# KiCad board JumperlessArduino.kicad_pcb (continued)
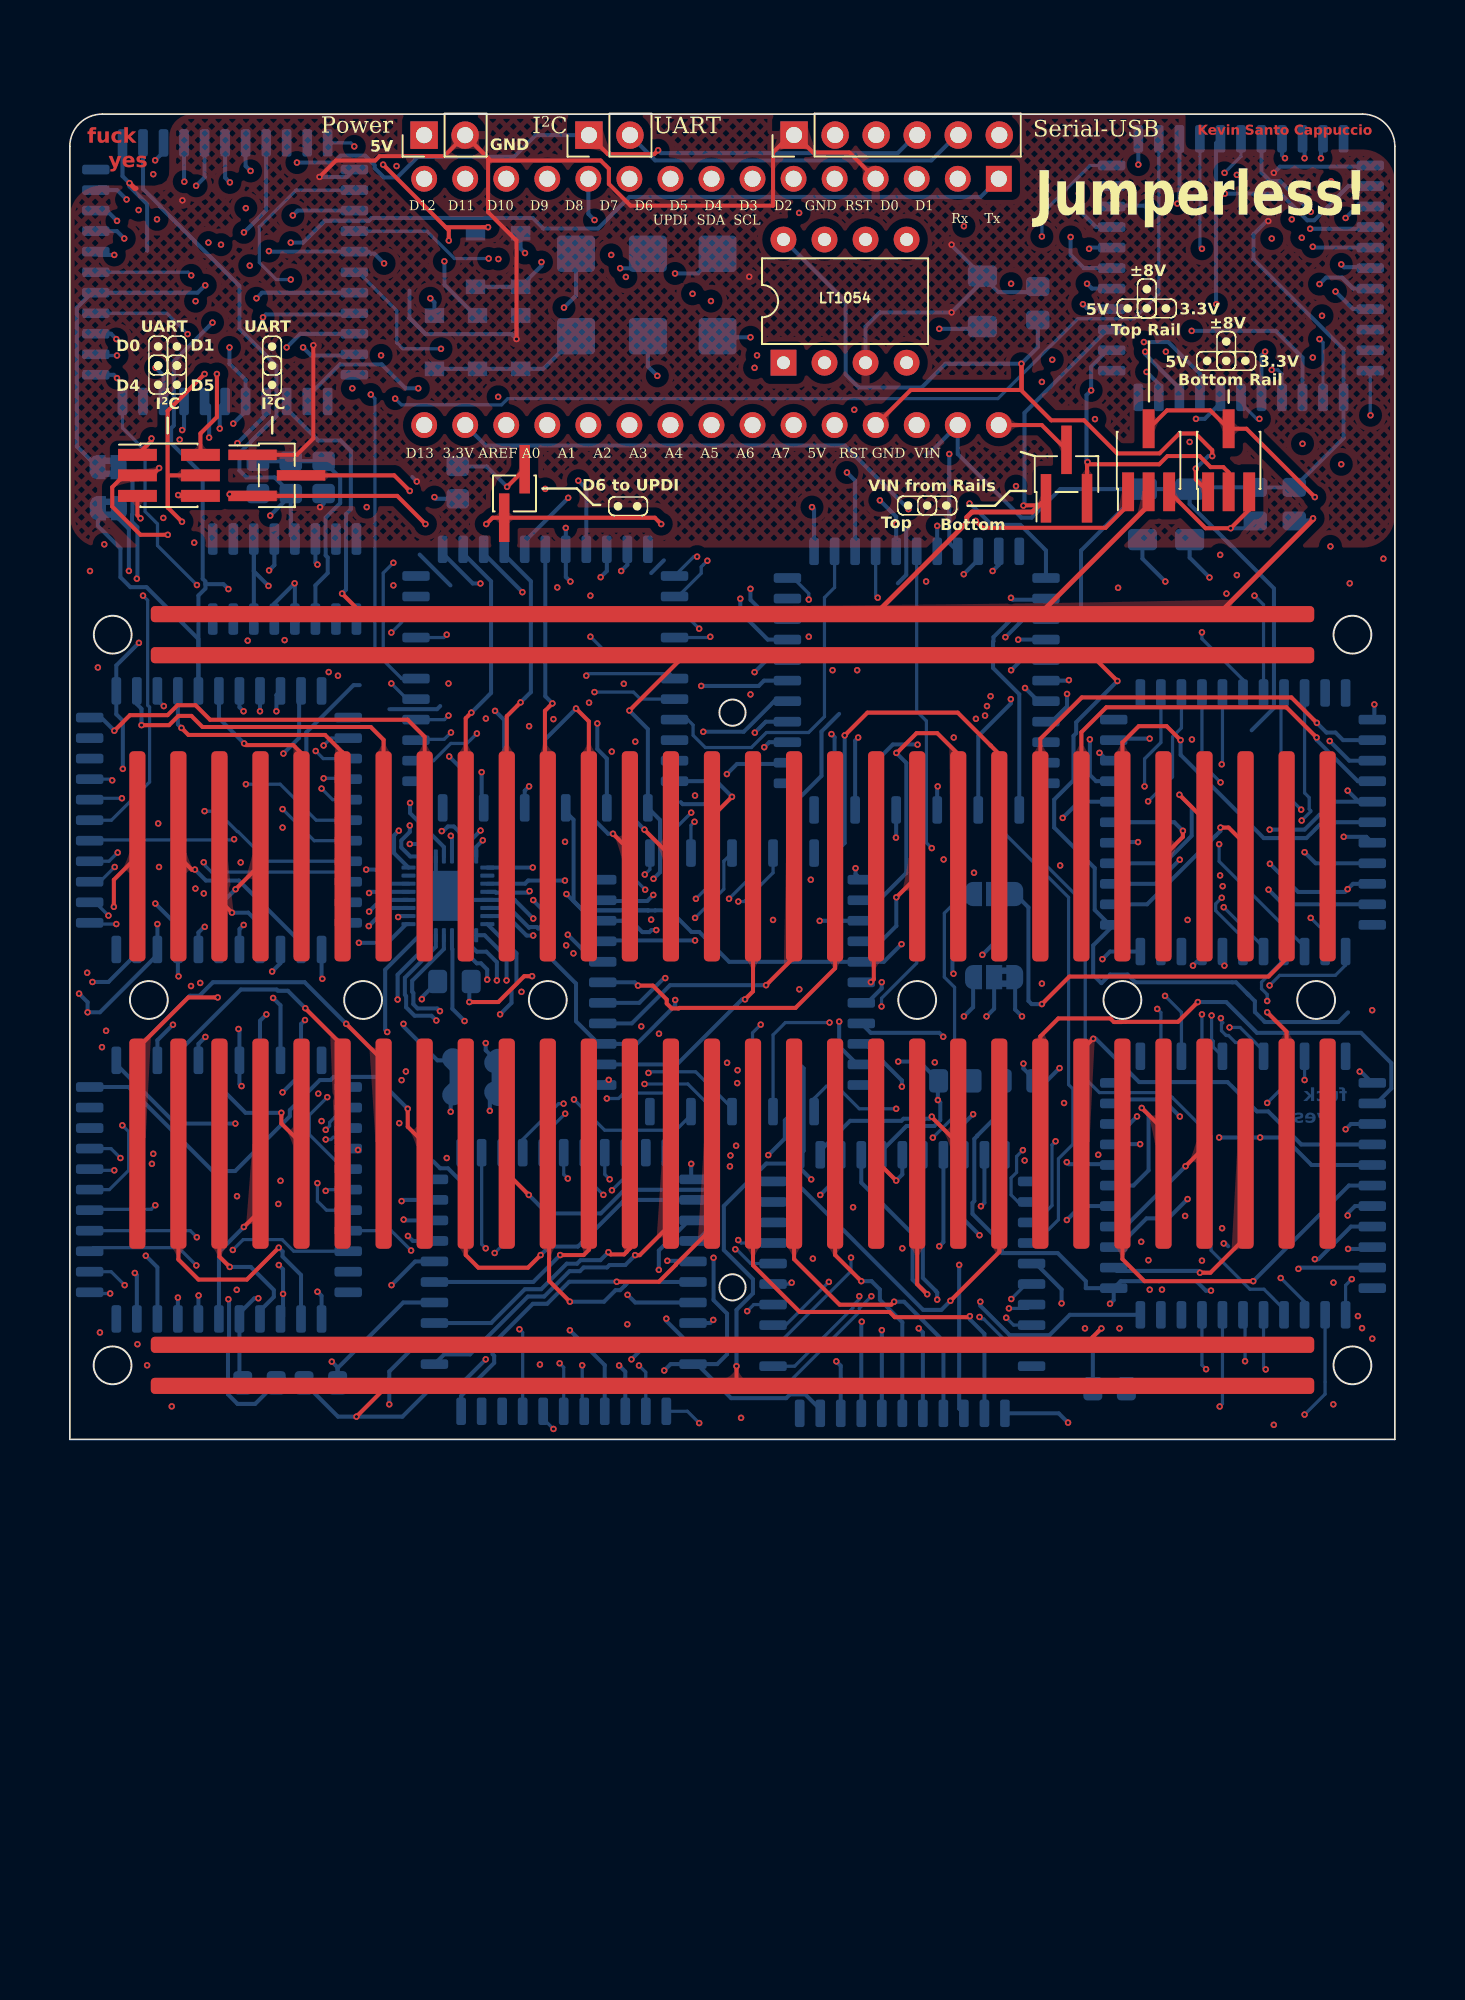
[diagram p0: board, top side]
## Routing (per net, layer and track width the routed paths; a pad name or vN(x,y) marks a point on that pad's centre or on a via; arc(x,y) is an arc through that point) (continued)
  In1.Cu w0.25: v1(51.27,23.38) 51.27,25.84 50.76,26.35 50.76,28.13 51.47,28.84 v1(51.47,30.64) 51.93,31.1 51.93,43.2 52.24,43.51 52.48,43.51 53,44.03 ; v1(67.83,67.3) 67.83,62.53 67.12,61.82 67.12,53.75 v1(67.8,53.08) 67.8,42.93 65.86,40.99 65.86,37.2 v1(66.11,36.96) ; 53,44.03 53,41.11 v1(53.71,40.4) ; 53,44.03 53,53.07 v1(52.99,53.08) ; v1(8.58,74.05) 8.58,73.43 8.91,73.1 8.91,69.17 v1(8.83,69.1) ; v1(16.21,4.81) 7.5,4.81 7.43,4.89 7.43,9.1 8.62,10.3 8.62,12.55 8.62,12.55 8.62,12.93 8.57,12.98 8.57,24.73 v1(8.39,24.9) ; v1(9.81,52.61) 9.81,52.61 9.81,40.24 10.69,39.36 10.69,35.81 v1(10.58,35.7) ; v1(61.53,20.81) 61.53,18.07 61.17,17.71 61.17,14.1 v1(61.7,13.57)
  In2.Cu w0.25: v1(8.58,74.05) 8.58,73.96 9.14,73.4 9.72,73.4 9.92,73.6 12.25,73.6 v1(12.32,73.53) ; v1(53.72,21) 53.9,20.81 v1(61.53,20.81) ; v1(67.8,53.08) 67.66,53.22 64.61,53.22 64.44,53.05 55.58,53.05 55.54,53.01 53.07,53.01 v1(52.99,53.08) ; v1(30.73,33.74) 29.62,34.86 19.25,34.86 19.12,34.73 11.89,34.73 11.64,34.97 9.15,34.97 ; 9.15,34.97 8.91,34.73 3.74,34.73 0.55,31.54 0.55,28.41 1.18,27.78 1.2,27.78 4.48,24.49 7.98,24.49 v1(8.39,24.9) ; 9.15,34.97 9.87,35.7 v1(10.58,35.7) ; v1(67.83,67.3) v1(73.97,67.3) ; v1(23.18,72.89) 23.13,72.84 19.52,72.84 v1(19.45,72.76)
  Bottom w0.25: 8.39,52.92 8.39,53.08 8.22,53.25 8.22,59.69 6.27,61.64 6.27,62.56 6.43,62.73 6.43,66.7 v1(8.83,69.1) ; 8.39,52.92 9.51,52.92 v1(9.81,52.61) ; 8.39,52.92 8.39,52.65 7.96,52.21 A.22 7.96,49.52 4.75,52.73 3.75,52.73 3.13,53.35 3.13,55.12 1.74,56.52 JP3.2 ; v1(61.7,13.57) 62.56,14.44 H.22 ; v1(16.21,4.81) 16.57,4.45 16.57,3.51 C18.2 16.58,4.41 20.63,8.47 F.22 ; v1(19.45,72.76) 18.84,73.37 18.61,73.37 18.5,73.49 J.22 12.36,73.49 v1(12.32,73.53) ; v1(53.71,40.4) 53.68,40.37 K.22 ; v1(8.39,24.9) 7.96,24.47 E.22 ; v1(73.97,67.3) 73.75,67.08 I.22 ; C16.2 66.38,54.49 67.79,53.08 v1(67.8,53.08) ; v1(51.27,23.38) 52.57,23.38 C17.2 53.72,22.14 v1(53.72,21) 53.87,20.85 53.87,19.75 53.5,19.39 51.78,19.39 50.25,17.86 G.22 ; v1(30.73,33.74) 31.74,32.73 35.78,32.73 ; 30.69,39.07 30.69,38.82 31.17,38.34 31.17,33.31 31.75,32.73 35.78,32.73 ; v1(66.11,36.96) 64.64,36.96 D.22 ; v1(51.47,30.64) 50.38,29.55 C.22 40.8,29.55 38.96,31.4 38.48,31.4 37.14,32.73 36.23,32.73 36.22,32.73 35.79,32.73 35.78,32.73 ; v1(23.18,72.89) 23.18,71.44 25.08,69.54 25.23,69.54
GND: length 661.8
  Top w0.08: 4.1,77.4 4.17,77.4
  Top w0.25: v1(34.63,45.09) 38.06,48.52 J5.0 63.23,48.52 v1(64.83,46.92) ; A1.4 48.25,79.62 45.99,79.62 44.82,80.8 44.68,80.8 43.52,79.64 43.52,76.34 34.7,76.34 33.36,77.68 33.36,78.62 32.85,79.13 26.03,79.13 J2.2 ; v1(27.64,68.08) 27.64,74.18 25.88,75.94 25.88,79.28 J2.2 ; v1(15.07,67.7) 15.07,61.93 14.05,60.92 JP4.1 ; v1(28.61,28.66) 28.12,28.66 26.52,27.06 v1(24.72,27.06) ; v1(41.26,4.53) 41.26,3.56 J5.32 19.64,3.31 v1(17.74,1.41) ; J2.2 23.17,79.4 19.17,79.4 18.9,79.13 16.47,79.13 v1(15.45,78.11)
  Top w0.3: v1(3.69,77.73) 4.02,77.4 4.1,77.4
  In1.Cu w0.25: v1(35.98,32.16) 36.63,32.81 36.63,34.17 v1(36.12,34.69) ; v1(15.07,67.7) 15.07,58.1 v1(15.48,57.68) ; A1.29 54.95,69.35 v1(54.57,69.73) ; v1(5.52,35.42) 5.47,35.47 v1(5.47,38.11) ; A1.4 53.95,73.92 v1(54.57,73.92) ; 45.88,28.61 45.14,27.87 v1(45.14,27.85) ; 45.88,28.61 45.88,34.6 v1(45.86,34.63) ; 45.88,28.61 v1(45.88,16.09) 45.88,11.29 v1(45.98,11.19) ; v1(74.17,75.38) 74.17,78.03 v1(74.51,78.37) ; v1(10.35,15.05) 10.25,15.15 v1(10.25,19.54) 10.25,12.3 10.78,11.77 10.78,10.44 9.61,9.27 9.61,8.87 v1(9.81,8.67) ; v1(28.68,32.22) 28.68,31.91 28.47,31.7 28.46,31.7 28.15,31.39 28.15,29.73 28.61,29.27 v1(28.61,28.66) ; v1(64.96,6.87) 64.37,7.45 v1(64.37,8.39) 64.37,16.88 v1(63.64,17.61) ; v1(42.05,71.94) 42.05,73.71 43.38,75.04 43.38,79.36 44.82,80.8 ; v1(70.62,9.2) 70.62,11.34 v1(71.41,12.12)
  In2.Cu w0.25: v1(25.74,4.95) 28.77,4.95 v1(29.09,4.63) ; v1(6.97,76.67) 4.76,76.67 v1(3.69,77.73) 6.22,77.73 6.99,78.5 9.99,78.5 10.52,77.96 15.3,77.96 v1(15.45,78.11) ; v1(36.12,34.69) 36.2,34.61 36.51,34.61 36.74,34.38 45.83,34.38 ; v1(15.07,67.7) 15.45,68.08 v1(27.64,68.08) ; v1(21.47,59.27) 20.23,59.27 19.41,58.45 18.35,58.45 17.58,57.68 v1(15.48,57.68) 12.19,57.68 12.1,57.6 3.06,57.6 1.61,56.14 1.61,54.11 4.28,51.44 v1(4.28,49.28) ; v1(45.88,16.09) 45.68,16.29 45.68,17.89 55.69,17.89 56.32,18.53 59.37,18.53 60.18,17.71 63.54,17.71 v1(63.64,17.61) ; 45.83,34.38 47.66,34.38 v1(48.62,35.34) ; 45.83,34.38 45.86,34.4 v1(45.86,34.63) ; v1(35.98,32.16) 35.91,32.22 v1(28.68,32.22) ; v1(3.28,41.49) 5.47,39.3 v1(5.47,38.11)
  Bottom w0.25: R2.1 15.71,57.9 v1(15.48,57.68) ; 53.02,60.94 53.12,61.05 53.24,61.05 A1.29 54.95,60.97 58.89,57.03 59.52,57.03 61.29,58.8 C16.1 ; 44.97,23.4 45.41,22.96 45.41,17.85 G.18 ; J.7 3.26,78.16 v1(3.69,77.73) 3.69,77.53 4.78,76.44 4.78,73.54 ; K.18 58.76,46.11 57.13,47.73 57.13,49.36 57.16,49.39 57.16,49.64 58.92,51.4 62.58,51.4 62.58,55 C16.1 ; U2.19 22.65,34.38 U2.33 23.65,33.38 U2.29 27.53,33.38 v1(28.68,32.22) ; v1(34.63,45.09) 35.77,43.95 B.18 36.52,38.32 36.52,35.09 v1(36.12,34.69) ; 24.39,15.76 24.39,15.78 23.4,16.77 22.92,16.77 22.49,17.2 ; 39.58,39.3 37.93,39.3 37.8,39.43 ; v1(74.51,78.37) 74.89,78.75 80.4,78.75 I.7 ; v1(48.62,35.34) 48.62,34.98 C.18 ; H.18 65.03,9.79 69.72,9.79 70.3,9.2 v1(70.62,9.2) ; H.18 62.87,9.36 62.87,9.79 61.14,11.53 57.68,11.53 57.68,12.13 55.86,13.96 55.86,14.64 55.97,14.75 55.97,18.59 56.16,18.77 56.16,18.79 57.7,20.34 C6.2 ; H.18 64.6,8.62 v1(64.37,8.39) ; C1.2 69.41,58.91 C13.2 C8.1 78.83,61.96 I.18 78.83,67.45 73.25,73.03 73.25,74.57 74.06,75.38 v1(74.17,75.38) ; C1.2 C16.1 ; C1.2 69.3,57.87 74.52,52.65 74.52,45.26 73.14,43.87 ; v1(41.26,4.53) 41.26,8.02 42.27,9.03 42.27,9.91 40.47,11.72 40.47,14.44 43.1,17.07 44.63,17.07 G.18 ; G.18 45.17,16.8 v1(45.88,16.09) ; v1(64.83,46.92) 62.28,44.37 62.28,43.69 62.11,43.53 62.11,40.78 60.92,39.59 60.92,37.85 63.43,35.35 63.43,32.76 64.35,31.84 D.18 63.33,30.56 63.33,28.74 63.84,28.23 64.37,28.76 65.46,28.76 65.94,28.28 72.17,28.28 72.88,27.57 ; 23.55,52.84 21.65,54.75 ; 47.61,44.89 46.52,43.8 46.52,41.06 45.07,39.61 ; v1(4.28,49.28) 2.88,47.89 2.88,44.87 3.28,44.46 v1(3.28,41.49) ; 51.88,56.4 51.76,56.28 51.76,53.49 51.24,52.97 ; C4.1 57.47,70.98 59.56,70.98 C14.2 ; C4.1 54.57,73.89 v1(54.57,73.92) ; C4.1 56.47,71.64 v1(54.57,69.73) 50.12,69.73 49.24,68.85 U3.3 ; 72.88,27.57 72.98,27.47 ; 72.88,27.57 73.34,27.11 73.34,26.44 73.96,25.82 78.5,25.82 79.1,26.43 ; C15.2 24.72,28.22 v1(24.72,27.06) ; 71.69,11.95 71.51,12.12 v1(71.41,12.12) ; v1(15.45,78.11) 17.15,78.11 J.18 ; 21.01,71.08 21.01,69.39 22.02,68.39 27.34,68.39 v1(27.64,68.08) 27.64,69.29 D5.1 ; 22.92,45.37 22.73,45.18 19.78,45.18 ; 2.88,23.45 2.88,23.2 6.54,19.54 v1(10.25,19.54) ; v1(25.74,4.95) 24.18,3.39 F.18 20.58,1.41 v1(17.74,1.41) 16.59,1.41 C18.1 C7.2 11.47,2.19 10.38,2.19 9.79,2.79 9.79,5.47 9.85,5.54 9.85,8.63 v1(9.81,8.67) ; 14.64,41.79 14.64,43.75 17.56,46.67 17.94,46.67 ; 35.98,53.6 36.76,54.39 ; v1(21.47,59.27) 21.19,59.55
VIN: length 4.8
  Top w0.25: JP1.2 60.15,62.76 A1.30
1: length 63.5
  Top w0.25: J5.1 2.73,34.62 v1(2.73,32.95)
  In2.Cu w0.25: v1(54.69,28.81) 37.86,28.81 37.07,28.02 36.11,28.02 35.49,28.63 31.23,28.63 30.11,29.75 5.93,29.75 v1(2.73,32.95)
  Bottom w0.25: v1(54.69,28.81) 54.62,28.88 54.62,32.46 JP7.3
2: length 10.2
  Top w0.25: v1(7.74,35.25) 7.54,35.25 J5.2
  Bottom w0.25: A.41 14.31,30.73 10.46,34.58 8.42,34.58 v1(7.74,35.25)
3: length 7.4
  Top w0.25: J5.3 9.26,33.37 v1(10.04,32.59)
  Bottom w0.25: v1(10.04,32.59) 11.04,32.59 11.77,31.86 A.43
4: length 6.8
  Top w0.25: v1(10.26,34.04) 11.8,35.58 J5.4
  Bottom w0.25: v1(10.26,34.04) 9.23,33.01 A.1
5: length 14.1
  Top w0.25: J5.5 14.34,42.44 13.83,42.96 10.89,42.96 v1(10.79,43.06)
  Bottom w0.25: v1(10.79,43.06) 9.23,44.62 A.23
6: length 19.4
  Top w0.25: J5.6 16.88,42.5 15.8,43.59 7.34,43.59 v1(6.91,44.02)
  Bottom w0.25: v1(6.91,44.02) 6.69,44.24 A.21
7: length 25.3
  Top w0.25: J5.7 19.42,43.28 18.63,44.08 8.21,44.08 7.53,44.76 6.71,44.76 6.14,44.19 v1(4.44,44.19)
  Bottom w0.25: A.19 4.15,45.5 4.44,45.21 v1(4.44,44.19)
8: length 29.9
  Top w0.25: v1(2.76,43.85) 3.72,44.81 6.05,44.81 6.66,45.42 7.78,45.42 8.68,44.53 20.91,44.53 21.96,43.48 J5.8
  Bottom w0.25: v1(2.76,43.85) 1.94,44.66 A.17
9: length 20.4
  Top w0.25: J5.9 24.5,44.62 v1(24.85,44.97)
  Bottom w0.25: v1(24.85,44.97) 26.07,46.19 26.07,53.09 24.34,54.82 B.41
10: length 20.3
  Top w0.25: J5.10 27.04,44.74 v1(27.9,45.6)
  Bottom w0.25: B.43 26.88,54.75 28.53,53.09 28.53,46.24 v1(27.9,45.6)
11: length 19.4
  Top w0.25: v1(29.87,45.54) 29.4,45.07 29.4,36.25 J5.11
  Bottom w0.25: B.1 29.42,45.98 v1(29.87,45.54)
12: length 16.4
  Top w0.25: J5.12 32.12,44.43 v1(31.33,45.22)
  Bottom w0.25: B.23 29.42,43.32 v1(31.33,45.22)
13: length 4.3
  Top w0.25: J5.13 34.66,36.43 v1(33.61,37.47)
  Bottom w0.25: v1(33.61,37.47) 33.31,37.47 31.96,38.82 B.21
14: length 4.1
  Top w0.25: v1(35.56,37.73) 35.56,37.72 J5.14
  Bottom w0.25: v1(35.56,37.73) 34.5,38.78 B.19
15: length 8.2
  Top w0.25: v1(40.98,39.76) 39.74,38.52 J5.15
  Bottom w0.25: v1(40.98,39.76) 40.02,40.72 B.17
16: length 19.5
  Top w0.25: v1(41.78,27.22) 42.28,27.72 J5.16
  Bottom w0.25: v1(41.78,27.22) 41.6,27.22 37.58,23.2 32.98,23.2
17: length 19.8
  Top w0.25: J5.17 44.82,29.83 v1(43.09,28.1)
  Bottom w0.25: C.43 34.78,25.74 37.14,28.1 v1(43.09,28.1)
18: length 23.2
  Top w0.25: v1(35.16,28.08) 36.08,28.08 36.94,27.22 36.94,26.97 37.25,26.66 37.68,26.66 37.71,26.7 44.91,26.7 47.36,29.15 J5.18
  Bottom w0.25: v1(35.16,28.08) 34.96,28.28 C.1
19: length 8.5
  Top w0.25: v1(49.57,28.29) 49.75,28.47 49.75,35.93 J5.19
  Bottom w0.25: C.23 49.56,28.28 v1(49.57,28.29)
20: length 7.4
  Top w0.25: v1(51.15,33.54) 52.44,34.83 J5.20
  Bottom w0.25: C.21 50.2,30.82 51.15,31.77 v1(51.15,33.54)
21: length 22.4
  Top w0.25: J5.21 54.98,42.4 53.68,43.7 52.4,43.7 51.18,42.47 v1(51.15,42.47)
  Bottom w0.25: v1(51.15,42.47) 51.76,41.86 51.76,35.05 50.07,33.36 C.19
22: length 25.1
  Top w0.25: v1(47.95,43.56) 49.36,44.97 54.95,44.97 56.98,42.94 57.52,42.4 J5.22
  Bottom w0.25: C.17 47.95,36.9 v1(47.95,43.56)
23: length 30
  Top w0.25: J5.23 60.06,43.35 62.62,45.91 75.6,45.91 v1(77.17,44.33)
  Bottom w0.25: 80.6,43.26 78.8,43.26 78.33,43.73 77.77,43.73 v1(77.17,44.33)
24: length 28.3
  Top w0.25: J5.24 62.6,43.75 64.14,45.3 75.29,45.3 v1(77.16,43.43)
  Bottom w0.25: D.43 79.71,40.72 77.16,43.28 v1(77.16,43.43)
25: length 26.7
  Top w0.25: J5.25 65.14,43.12 66.15,44.13 67.88,44.13 v1(68.74,43.26)
  Bottom w0.25: D.1 77.51,38.19 76.52,37.2 73.89,37.2 68.74,42.35 v1(68.74,43.26)
26: length 6.6
  Top w0.25: v1(68.88,37.66) 68.88,37.28 J5.26
  Bottom w0.25: v1(68.88,37.66) 68.35,38.19 D.23
27: length 12.8
  Top w0.25: J5.27 70.22,38.33 v1(68.67,39.89)
  Bottom w0.25: v1(68.67,39.89) 69.43,39.12 69.43,37.35 67.72,35.65 D.21
28: length 11.4
  Top w0.25: v1(71.2,37.85) 71.71,37.85 72.76,36.81 J5.28
  Bottom w0.25: D.19 66.67,33.1 70.6,37.04 70.6,37.04 70.91,37.35 70.92,37.35 71.2,37.64 v1(71.2,37.85)
29: length 30.5
  Top w0.25: v1(60.16,26.93) 61.86,28.64 74.18,28.64 75.3,29.76 J5.29
  Bottom w0.25: JP7.1 59.33,32.92 59.33,27.13 59.52,26.93 v1(60.16,26.93)
29_jumper: length 14.3
  In2.Cu w0.25: v1(63.9,29.71) 63.66,29.47 56.98,29.47 v1(56.47,29.98)
  Bottom w0.25: v1(56.47,29.98) 57.2,30.71 JP7.2 ; D.17 64.37,30.19 v1(63.9,29.71)
32: length 63.9
  Top w0.25: J5.33 4.18,24.2 7.33,27.35 v1(9.15,27.35)
  In2.Cu w0.25: v1(9.15,27.35) 11.66,27.35 13.6,29.29 29.91,29.29 32.54,26.66 41.96,26.66 42.13,26.82 48.02,26.82 49.43,25.41 53.17,25.41 53.93,26.17 v1(55.33,26.17)
  Bottom w0.25: JP11.3 55.9,26.74 v1(55.33,26.17)
33: length 19.7
  Top w0.25: v1(12.93,11.86) 10.96,9.89 7.96,9.89 6.72,11.13 J5.34
  Bottom w0.25: E.41 14.31,10.17 13.17,11.31 13.17,11.63 v1(12.93,11.86)
34: length 13.4
  Top w0.25: v1(9.9,10.67) 9.26,11.31 J5.35
  Bottom w0.25: E.43 11.77,7.95 12.62,8.81 12.62,9.24 11.2,10.67 v1(9.9,10.67)
35: length 11.9
  Top w0.25: v1(10.77,13.14) 11.8,14.17 J5.36
  Bottom w0.25: v1(10.77,13.14) 10.77,13.14 9.23,11.6 E.1
36: length 8.6
  Top w0.25: v1(13.09,20.21) 13.09,19.55 J5.37
  Bottom w0.25: v1(13.09,20.21) 10.88,20.21 9.23,21.85 E.23
37: length 19.8
  Top w0.25: v1(14.57,26.68) 14.57,26.67 16.88,24.36 J5.38
  Bottom w0.25: E.21 6.69,23.94 10.58,27.84 12.8,27.84 12.88,27.76 13.5,27.76 v1(14.57,26.68)
38: length 24.8
  Top w0.25: v1(17.1,25.71) 19.42,23.4 J5.39
  Bottom w0.25: E.19 4.15,24.17 7.43,27.45 8.02,27.45 8.86,28.29 14.53,28.29 v1(17.1,25.71)
39: length 27.9
  Top w0.25: v1(20.91,20.46) 20.91,19.34 J5.40
  Bottom w0.25: v1(20.91,20.46) 18.94,22.43 16.33,22.43 16.14,22.23 15.48,22.23 13.62,20.37 13.62,19.99 10.23,16.6 8.84,16.6 3.64,21.8 E.17
40: length 23
  Top w0.25: v1(29.14,11.4) 28.36,10.62 25.29,10.62 24.5,11.41 J5.41
  Bottom w0.25: v1(29.14,11.4) 29.66,11.93 31.44,11.93 34.33,14.82 F.41
41: length 20.1
  Top w0.25: v1(28.41,15.12) 27.04,16.49 J5.42
  Bottom w0.25: F.43 38.82,12.28 39.99,13.45 39.99,15.1 39.64,15.44 34.32,15.44 32.86,13.98 29.55,13.98 v1(28.41,15.12)
42: length 18.5
  Top w0.25: v1(30.95,8.52) 29.66,9.81 29.66,11.17 29.66,11.17 29.66,18.21 J5.43
  Bottom w0.25: F.1 34.56,9.74 34.37,9.54 34.37,9.54 34.06,9.23 33.77,9.23 33.06,8.52 v1(30.95,8.52)
43: length 16.9
  Top w0.25: v1(30.35,11.4) 31.8,11.4 32.12,11.72 J5.44
  Bottom w0.25: v1(30.35,11.4) 28.68,9.74 F.23
44: length 20.6
  Top w0.25: v1(33.33,11.58) 33.47,11.44 34.31,11.44 34.46,11.6 34.46,11.62 34.66,11.82 J5.45
  Bottom w0.25: F.21 26.07,7.2 28.16,9.29 29.17,9.29 30.75,10.87 31.39,10.87 31.61,11.09 32.83,11.09 v1(33.33,11.58)
45: length 23.2
  Top w0.25: v1(34.99,11.4) 35.27,11.4 37.2,13.33 J5.46
  Bottom w0.25: v1(34.99,11.4) 34.37,10.79 33.4,10.79 33.25,10.64 31.79,10.64 31.56,10.41 30.92,10.41 29.36,8.84 28.35,8.84 24.77,5.26 23.17,5.26 F.19
46: length 26.8
  Top w0.25: J5.47 39.74,13.06 37.5,10.82 37.5,10.8 36.46,9.75 v1(33.84,9.75)
  Bottom w0.25: 24.22,1.74 24.22,2.68 26.26,4.73 26.26,5.17 26.16,5.27 26.16,5.9 28.66,8.39 29.54,8.39 30.91,9.75 v1(33.84,9.75)
47: length 28.7
  Top w0.25: v1(55.7,7.62) 55.64,7.56 51.06,7.56 50.73,7.88 45.17,7.88 42.28,10.77 J5.48
  Bottom w0.25: G.41 56.6,6.53 55.7,7.43 v1(55.7,7.62)
48: length 23.1
  Top w0.25: J5.49 44.82,11.15 47.64,8.33 50.83,8.33 v1(51.01,8.52)
  Bottom w0.25: v1(51.01,8.52) 51.63,8.52 54.06,6.08 G.43
49: length 18.8
  Top w0.25: v1(48.98,9.79) 47.36,11.41 J5.50
  Bottom w0.25: v1(48.98,9.79) 49.61,9.79 50.13,9.27 50.13,8.64 51.52,7.25 G.1
50: length 4.6
  Top w0.25: v1(51.14,16.01) 49.9,17.25 J5.51
  Bottom w0.25: v1(51.14,16.01) 51.52,16.39 G.23
51: length 19.9
  Top w0.25: v1(53.06,8.98) 52.44,9.6 J5.52
  Bottom w0.25: v1(53.06,8.98) 52.16,9.88 52.16,12.71 48.98,15.88 G.21
52: length 10.4
  Top w0.25: J5.53 53.34,19.93 v1(53.34,19.97)
  Bottom w0.25: v1(53.34,19.97) 53.21,19.84 51.59,19.84 51.46,19.71 48.29,19.71 46.44,17.86 G.19
53: length 25.5
  Top w0.25: v1(54.49,8.57) 57.52,11.6 J5.54
  Bottom w0.25: v1(54.49,8.57) 53.93,8.01 52.81,8.01 44.86,15.96 G.17
54: length 34.1
  Top w0.25: J5.55 60.06,24.93 61.17,26.04 64.4,26.04 64.62,25.82 65.08,25.82 65.33,25.84 68.58,25.84 v1(69.81,27.06)
  Bottom w0.25: v1(69.81,27.06) 71.56,27.06 73.47,25.16 79.9,25.16 81.78,23.28 81.78,21.71 80.85,20.79 H.41
55: length 26.8
  Top w0.25: J5.56 62.6,24.05 v1(63.33,24.79)
  Bottom w0.25: H.43 76.21,18.25 74.16,20.29 73.46,20.29 71.65,22.11 66.18,22.11 63.49,24.79 v1(63.33,24.79)
56: length 25.6
  Top w0.25: J5.57 65.14,11.15 66.51,9.79 v1(73.24,9.79)
  Bottom w0.25: H.1 79.16,15.71 v1(73.24,9.79)
57: length 9.4
  Top w0.25: v1(66.33,20.51) 67.68,19.16 J5.58
  Bottom w0.25: v1(66.33,20.51) 66.76,20.08 66.76,16.65 65.82,15.71 H.23
58: length 7.9
  Top w0.25: J5.59 70.22,18.07 v1(69.05,16.9)
  Bottom w0.25: H.21 65.31,13.17 v1(69.05,16.9)
59: length 15
  Top w0.25: v1(69.94,10.31) 70.59,10.31 72.76,12.49 J5.60
  Bottom w0.25: H.19 64.81,10.42 69.82,10.42 v1(69.94,10.31)
60: length 27.5
  Top w0.25: J5.61 75.3,25.22 v1(74.1,26.43)
  In2.Cu w0.25: v1(58.92,26.17) 59.05,26.04 63.46,26.04 64.23,25.27 71.24,25.27 71.55,24.96 72.64,24.96 v1(74.1,26.43)
  Bottom w0.25: v1(58.92,26.17) 58.5,26.6 JP11.1
60_jumper: length 32.4
  In1.Cu w0.25: v1(56.35,8.52) 55.67,9.19 55.67,19.15 56.47,19.95 56.47,25.92 v1(56.73,26.17)
  Bottom w0.25: v1(56.35,8.52) 56.35,8.26 58.17,6.44 60.62,6.44 61.88,7.71 H.17 ; v1(56.73,26.17) 57.2,26.64 JP11.2
/AB0: length 24.5
  In1.Cu w0.2: v1(13.29,49.45) 13.29,44.08 12.67,43.45 12.67,39.5 v1(13.17,39)
  In2.Cu w0.2: v1(13.29,49.45) 13.76,49.92 v1(19.9,49.92)
  Bottom w0.2: v1(19.9,49.92) 20.86,50.88 B.37 ; v1(13.17,39) 15.12,37.04 A.35
/AB1: length 31.3
  In1.Cu w0.2: v1(10.9,40.54) 11.26,40.9 11.26,42.83 11.29,42.86 11.29,43.27 11.26,43.29 11.26,49.17 v1(11.01,49.42)
  In2.Cu w0.2: v1(11.01,49.42) 11.14,49.28 11.26,49.28 11.59,48.95 22.49,48.95 v1(23.33,49.79)
  Bottom w0.2: B.36 23.15,49.61 v1(23.33,49.79) ; A.34 15.25,38.31 13.02,40.54 v1(10.9,40.54)
/AC0: length 45.7
  In1.Cu w0.2: v1(15.38,21.39) 15.72,21.73 15.72,27.7 15.13,28.29 15.13,39.82 v1(15.58,40.27)
  In2.Cu w0.2: v1(15.38,21.39) 15.38,20.76 15.67,20.47 16.3,20.47 17.5,21.67 31.06,21.67 31.2,21.53 32.79,21.53 v1(33.23,21.09)
  Bottom w0.2: v1(33.23,21.09) 33.95,21.09 34.29,21.43 36.83,21.43 37.17,21.09 C.37 ; v1(15.58,40.27) 16.27,39.58 A.33
/AC1: length 48.4
  In1.Cu w0.2: v1(15.71,40.9) 16.2,40.41 16.2,25.04 16.43,24.81 16.43,20.55 v1(15.58,19.69)
  In2.Cu w0.2: v1(31.2,21.03) 31.13,21.03 30.89,21.27 20.21,21.27 18.63,19.69 v1(15.58,19.69)
  Bottom w0.2: v1(31.2,21.03) 33.1,19.13 37.51,19.13 38.44,20.06 C.36 ; v1(15.71,40.9) 17.18,40.9 A.32
/AD0: length 85.9
  In2.Cu w0.2: v1(2.78,35.42) 3.57,36.21 18.1,36.21 18.6,35.7 28.23,35.7 28.6,36.08 42.25,36.08 45.17,39 65.7,39 66.35,38.35 76.17,38.35 v1(76.23,38.29)
  Bottom w0.2: D.37 76.41,40 76.7,39.71 76.7,39 76.79,38.91 76.79,38.85 v1(76.23,38.29) ; A.9 1.86,34.5 v1(2.78,35.42)
/AD1: length 85.1
  In2.Cu w0.2: v1(2.96,36.31) 3.26,36.61 18.26,36.61 18.75,36.12 27.63,36.12 27.99,36.48 42.01,36.48 45.19,39.65 65.62,39.65 66.37,38.9 76.14,38.9 v1(76.2,38.96)
  Bottom w0.2: v1(2.96,36.31) 2.43,35.77 A.10 ; v1(76.2,38.96) 74.95,40.21 74.95,46 D.36
/AE0: length 43.2
  In1.Cu w0.2: v1(10.17,37.13) 9.46,36.42 9.46,31.88 9.41,31.84 9.41,29.75 10.11,29.06 10.11,26.95 9.49,26.33 9.49,12.91 9.52,12.89 9.52,12.29 v1(10.09,11.72)
  Bottom w0.2: E.37 13.86,11.64 13.14,12.36 10.73,12.36 v1(10.09,11.72) ; A.11 1.28,37.09 10.13,37.09 v1(10.17,37.13)
/AF0: length 59.7
  In1.Cu w0.2: v1(5.08,17.05) 5.25,17.05 5.66,17.46 5.66,18.63 3.26,21.04 3.26,29.02 4.31,30.07 4.31,31.58 4.17,31.73 4.17,38.73 v1(3.22,39.67)
  In2.Cu w0.2: v1(5.08,17.05) 6.3,15.83 10.35,15.83 11.13,16.61 14.87,16.61 15.12,16.35 29.33,16.35 30.45,15.24 32.42,15.24 32.81,15.63 33.23,15.63 33.44,15.41 v1(33.55,15.41)
  Bottom w0.2: F.37 34.38,16.24 v1(33.55,15.41) ; A.13 1.32,39.67 v1(3.22,39.67)
/AF1: length 58.4
  In1.Cu w0.2: v1(2.62,40.78) 2.28,40.43 2.28,34.65 3.41,33.52 3.41,31.92 3.91,31.42 3.91,30.23 2.86,29.18 2.86,20.73 5.16,18.42 v1(5.16,17.67)
  In2.Cu w0.2: v1(5.16,17.67) 6.61,16.23 10.18,16.23 10.96,17.01 15.03,17.01 15.29,16.75 29.5,16.75 30.61,15.64 31.03,15.64 31.48,16.09 v1(33.41,16.09)
  Bottom w0.2: A.14 2.55,40.85 v1(2.62,40.78) ; F.36 33.1,16.4 v1(33.41,16.09)
/AG0: length 88
  In1.Cu w0.2: v1(56.3,7.57) 56.9,8.17 56.9,25.64 57.23,25.96 57.23,43.43 v1(56.07,44.59)
  In2.Cu w0.2: v1(15.21,42.59) 16.45,41.35 23.85,41.35 24.29,41.79 26.25,41.79 27.14,40.9 34.13,40.9 34.7,40.34 38.9,40.34 38.97,40.27 43.05,40.27 47.37,44.59 v1(56.07,44.59)
  Bottom w0.2: v1(15.21,42.59) 15.68,42.12 A.31 ; G.37 58.21,5.8 56.56,7.45 56.42,7.45 v1(56.3,7.57)
/AG1: length 85.8
  In1.Cu w0.2: v1(56.64,44.79) 57.63,43.8 57.63,25.8 57.3,25.47 57.3,8.18 v1(57.95,7.53)
  In2.Cu w0.2: v1(56.64,44.79) 56.24,45.18 47.41,45.18 42.89,40.67 39.13,40.67 39.06,40.74 34.86,40.74 34.29,41.31 27.36,41.31 26.48,42.19 24.12,42.19 23.68,41.75 16.89,41.75 v1(15.71,42.94)
  Bottom w0.2: v1(15.71,42.94) 16.16,43.39 A.30 ; G.36 58.41,7.07 v1(57.95,7.53)
/AH0: length 86.4
  In1.Cu w0.2: v1(2.24,25.28) 2.46,25.5 2.46,29.35 2.88,29.76 v1(2.88,31.89)
  In2.Cu w0.2: v1(76.41,22.23) 76.36,22.29 72.99,22.29 71.1,24.18 59.25,24.18 58.94,24.49 54.33,24.49 54.26,24.41 35.51,24.41 35.06,23.96 22.91,23.96 22.64,24.22 19.9,24.22 19.32,23.65 3.88,23.65 v1(2.24,25.28)
  Bottom w0.2: v1(2.88,31.89) 1.3,31.89 A.7 ; H.37 v1(76.41,22.23)
/AH1: length 87.8
  In1.Cu w0.2: v1(1.99,24.27) 1.74,24.52 1.74,27.4 1.9,27.56 1.9,28.36 2.06,28.52 2.06,32.08 v1(2.39,32.41)
  In2.Cu w0.2: v1(1.99,24.27) 3.01,23.25 19.48,23.25 20.06,23.82 21.22,23.82 21.5,23.54 35.21,23.54 35.68,24.01 54.42,24.01 54.5,24.09 58.78,24.09 59.09,23.78 70.72,23.78 73.68,20.82 v1(74.1,20.82)
  Bottom w0.2: v1(2.39,32.41) 1.57,33.23 A.8 ; H.36 75.14,21.86 v1(74.1,20.82)
/BC0: length 48.1
  In1.Cu w0.2: v1(20.53,22.23) 20.28,22.48 20.28,23.63 21.15,24.5 21.15,29.71 19.66,31.2 19.66,46.53 v1(19.9,46.77)
  In2.Cu w0.2: v1(20.53,22.23) 32.54,22.23 32.76,22 32.89,22 33.27,21.62 35.19,21.62 v1(35.57,21.99)
  Bottom w0.2: C.35 39.71,20.53 38.25,21.99 v1(35.57,21.99) ; v1(19.9,46.77) 20.86,45.8 B.33
/BC1: length 46.6
  In1.Cu w0.2: v1(20.8,22.76) 22.18,24.15 22.18,26.93 22.28,27.03 22.28,27.25 22.48,27.45 22.48,43.83 v1(23.43,44.79)
  In2.Cu w0.2: v1(35.81,22.67) 35.74,22.74 33.56,22.74 20.82,22.74 v1(20.8,22.76)
  Bottom w0.2: C.34 40.98,20.5 38.73,22.74 35.88,22.74 v1(35.81,22.67) ; v1(23.43,44.79) 23.18,44.53 B.32
/BD0: length 43.6
  In2.Cu w0.2: v1(73.31,52.21) 72.04,50.94 60.05,50.94 59.7,51.29 58.59,51.29 58.24,50.94 41.11,50.94 40.33,50.16 v1(38.95,50.16)
  Bottom w0.2: B.9 38.23,50.88 v1(38.95,50.16) ; D.35 73.87,51.64 v1(73.31,52.21)
/BD1: length 38.4
  In2.Cu w0.2: v1(39.64,49.66) 40.4,49.66 41.23,50.5 58.36,50.5 58.75,50.89 59.54,50.89 59.92,50.5 69.5,50.5 v1(70.06,49.94)
  Bottom w0.2: v1(39.64,49.66) 39.59,49.61 B.10 ; D.34 72.6,47 70.06,49.54 v1(70.06,49.94)
/BE0: length 59
  In1.Cu w0.2: v1(15.32,15.86) 14.79,16.39 14.79,21.56 15.32,22.09 15.32,27.01 14.72,27.61 14.72,42.8 16.02,44.11 v1(16.02,47.48)
  In2.Cu w0.2: v1(32.22,49.67) 30.3,47.75 16.3,47.75 v1(16.02,47.48)
  Bottom w0.2: B.11 33.54,48.34 v1(32.22,49.67) ; E.35 15.88,14.18 15.32,14.74 v1(15.32,15.86)
/BE1: length 54.8
  In1.Cu w0.2: v1(15.83,15.38) 16.83,16.38 16.83,24.97 16.6,25.2 16.6,47.24 v1(16.59,47.25)
  In2.Cu w0.2: v1(31.96,47.25) 31.94,47.27 16.61,47.27 v1(16.59,47.25)
  Bottom w0.2: E.34 15.91,15.45 v1(15.83,15.38) ; v1(31.96,47.25) 32.09,47.38 37.12,47.38 B.12
/BF0: length 39.9
  In1.Cu w0.2: v1(33.02,15.13) 32.73,15.42 32.73,43.07 33.14,43.48 33.14,45.56 v1(32.47,46.24)
  Bottom w0.2: B.13 35.32,45.8 34.88,46.24 v1(32.47,46.24) ; F.35 31.84,16.31 v1(33.02,15.13)
/BG0: length 77.5
  In1.Cu w0.2: v1(58.11,8.1) 57.75,8.47 57.75,25.36 58.03,25.63 58.03,44.11 v1(56.76,45.37)
  In2.Cu w0.2: v1(23.59,43.74) 24.25,43.07 33.73,43.07 34.9,41.9 43.56,41.9 47.24,45.58 56.55,45.58 v1(56.76,45.37)
  Bottom w0.2: B.31 21.48,43.32 23.17,43.32 v1(23.59,43.74) ; v1(58.11,8.1) 59.28,8.1 G.35
/BG1: length 78
  In1.Cu w0.2: v1(56.98,45.98) 58.43,44.54 58.43,25.47 58.35,25.39 58.35,8.77 v1(58.26,8.68)
  In2.Cu w0.2: v1(25.19,43.68) 25.24,43.63 33.81,43.63 35.14,42.3 43.27,42.3 46.95,45.98 v1(56.98,45.98)
  Bottom w0.2: v1(25.19,43.68) 24.58,43.06 23.58,43.06 22.51,41.99 B.30 ; v1(58.26,8.68) 59.19,9.61 G.34
/BH0: length 68.2
  In1.Cu w0.2: v1(71.77,25.49) 71.77,25.63 71.73,25.66 71.73,26.44 72.35,27.06 72.35,36.9 72.58,37.13 72.58,53.11 v1(72.22,53.48)
  In2.Cu w0.2: v1(38.82,54.62) 39.2,55 49.47,55 49.59,54.88 67.52,54.88 69.67,52.73 71.15,52.73 71.9,53.48 v1(72.22,53.48)
  Bottom w0.2: B.7 38.62,54.62 v1(38.82,54.62) ; v1(71.77,25.49) 72.42,25.49 73.87,24.04 H.35
/BH1: length 66.6
  In1.Cu w0.2: v1(71.58,52.33) 72.18,51.73 72.18,37.29 71.95,37.06 71.95,27.22 71.23,26.51 v1(71.23,26.07)
  In2.Cu w0.2: v1(71.58,52.33) 69.51,52.33 67.36,54.48 49.43,54.48 49.35,54.56 39.65,54.56 v1(39.45,54.36)
  Bottom w0.2: v1(71.23,26.07) 71.23,25.9 71.35,25.78 71.27,25.7 71.27,25.28 71.56,24.99 71.7,24.99 72.14,24.56 72.6,24.56 H.34 ; v1(39.45,54.36) 39.07,53.98 39.07,53.59 37.64,52.15 B.8
/CD0: length 41.5
  In2.Cu w0.2: v1(71.28,41.77) 45.85,41.77 42.94,38.86 38.53,38.86 v1(38.45,38.78)
  Bottom w0.2: C.9 37.17,37.49 v1(38.45,38.78) ; D.33 71.33,41.81 v1(71.28,41.77)
/CD1: length 41.8
  In2.Cu w0.2: v1(71.21,40.65) 70.96,40.9 45.55,40.9 42.86,38.22 v1(38.66,38.22)
  Bottom w0.2: v1(71.21,40.65) 70.06,41.8 D.32 ; v1(38.66,38.22) 38.44,37.99 C.10
/CE0: length 46
  In1.Cu w0.2: v1(40.67,23.3) 40.46,23.51 40.46,31.73 v1(38.74,33.45)
  In2.Cu w0.2: v1(40.67,23.3) 35.53,23.3 35.37,23.14 21.15,23.14 20.94,23.35 20.16,23.35 19.65,22.85 17.61,22.85 v1(15.94,21.17)
  Bottom w0.2: E.33 16.96,16.72 14.83,18.86 14.83,20.06 v1(15.94,21.17) ; v1(38.74,33.45) 39.71,34.42 C.11
/CE1: length 45.3
  In1.Cu w0.2: v1(40.85,16.89) 39.97,17.77 39.97,30.99 v1(38.69,32.27)
  In2.Cu w0.2: v1(17.83,17.91) 17.86,17.93 23.63,17.93 23.64,17.93 39.82,17.93 v1(40.85,16.89)
  Bottom w0.2: v1(38.69,32.27) 40.48,34.05 40.48,35.78 C.12 ; v1(17.83,17.91) 17.75,17.99 E.32
/CF0: length 29.1
  In1.Cu w0.2: v1(41.32,22.84) 41.32,26.41 40.86,26.87 40.86,32.31 40.85,32.32 40.85,33.4 v1(40.8,33.45)
  In2.Cu w0.2: v1(30.66,20.15) 30.72,20.08 31.28,20.08 31.57,20.38 38.93,20.38 41.22,22.67 41.22,22.8 41.28,22.8 v1(41.32,22.84)
  Bottom w0.2: 29.3,17.74 29.97,18.41 29.97,19.46 v1(30.66,20.15) ; v1(40.8,33.45) 42.25,34.9 C.13
/CF1: length 33.3
  In1.Cu w0.2: v1(41.37,33.28) 41.28,33.19 41.28,27.02 41.82,26.48 41.82,22.64 41.51,22.32 41.51,22.25 v1(41.3,22.04)
  In2.Cu w0.2: v1(30.56,20.77) 30.16,20.37 30.16,19.95 30.45,19.65 38.91,19.65 v1(41.3,22.04)
  Bottom w0.2: v1(30.56,20.77) 30.25,20.77 28.02,18.55 F.32 ; v1(41.37,33.28) 41.74,33.28 43.52,35.06 C.14
/CG0: length 33.9
  In1.Cu w0.25: v1(59.09,17.26) 59.09,10.7 v1(61.38,8.42)
  In2.Cu w0.25: v1(59.09,17.26) 47.79,17.26 46.1,15.56 45.25,15.56 v1(43.23,17.59)
  Bottom w0.25: C.31 44.25,19.74 44.25,18.61 v1(43.23,17.59) ; v1(61.38,8.42) 61.38,9.28 59.77,10.88 G.33
/CH0: length 50
  In1.Cu w0.2: v1(71.34,34.23) 71.13,34.01 71.08,34.01 70.79,33.72 70.79,33.07 70.82,33.03 70.82,26.4 v1(70.66,26.23)
  In2.Cu w0.2: v1(71.34,34.23) 71.14,34.03 54.78,34.03 54.59,34.22 48.82,34.22 48.55,33.95 36.56,33.95 36.33,34.19 35.78,34.19 v1(35.61,34.01)
  Bottom w0.2: H.33 70.76,24.28 70.76,24.63 70.66,24.74 v1(70.66,26.23) ; C.7 34.63,34.99 v1(35.61,34.01)
/CH1: length 49.9
  In1.Cu w0.2: v1(71.18,34.89) 70.31,34.02 70.31,26.59 70.16,26.44 70.16,26.39 v1(70.06,26.3)
  In2.Cu w0.2: v1(71.18,34.89) 70.72,34.43 54.95,34.43 54.45,34.93 50.07,34.93 49.09,35.91 48.11,35.91 47.39,35.18 35.82,35.18 v1(35.58,34.95)
  Bottom w0.2: v1(35.58,34.95) 35.9,35.27 C.8 ; H.32 v1(70.06,26.3)
/DE0: length 103.2
  In1.Cu w0.2: v1(7.77,34.08) 7.45,33.76 7.45,29.91 8.57,28.79 8.57,28.03 7.39,26.85 7.39,25.43 7.36,25.4 7.36,11.23 v1(7.83,10.76)
  In2.Cu w0.2: v1(7.77,34.08) 7.77,33.23 9.32,33.23 9.64,33.55 10.04,33.55 10.05,33.54 10.47,33.54 10.48,33.55 15.22,33.55 17.52,31.25 27,31.25 28.59,32.84 35.54,32.84 35.74,32.65 35.76,32.65 35.77,32.66 36.18,32.66 36.47,32.36 36.47,32.3 37.37,31.4 45.5,31.4 45.75,31.16 69.64,31.16 v1(71.41,32.93)
  Bottom w0.2: D.11 73.87,30.46 v1(71.41,32.93) ; v1(7.83,10.76) 6.73,11.86 1.45,11.86 E.9
/DE1: length 97.8
  In1.Cu w0.2: v1(8.29,33.78) 7.85,33.34 7.85,30.07 8.97,28.95 8.97,28.88 8.97,28.87 8.97,27.87 7.86,26.76 v1(7.86,12.51)
  In2.Cu w0.2: v1(8.29,33.78) 8.56,33.78 9.33,34.55 11.47,34.55 11.71,34.31 19.3,34.31 19.41,34.42 29.09,34.42 30.27,33.24 35.71,33.24 35.89,33.06 36.35,33.06 36.62,32.78 45.74,32.78 45.95,32.98 70.76,32.98 v1(71.29,33.51)
  Bottom w0.2: D.12 72.6,31.02 70.91,32.72 70.91,33.13 71.18,33.41 71.18,33.41 v1(71.29,33.51) ; v1(7.86,12.51) 7.45,12.91 E.10
/DF0: length 73.4
  In1.Cu w0.25: v1(33.99,4.57) 32.17,6.39 32.17,29.81 31.38,30.6 30.75,30.6 v1(30.72,30.57)
  In2.Cu w0.25: v1(71.45,29.31) 70.13,30.63 56.26,30.63 55.74,30.12 31.86,30.12 31.38,30.6 30.75,30.6 v1(30.72,30.57)
  Bottom w0.25: v1(33.99,4.57) 34.38,4.19 F.9 ; D.13 71.33,29.43 v1(71.45,29.31)
/DF1: length 69.8
  In1.Cu w0.25: v1(31.16,30.07) 31.72,29.51 31.72,7.53 v1(30.95,6.75)
  In2.Cu w0.25: v1(31.16,30.07) 31.6,29.64 55.93,29.64 56.62,28.95 63.83,28.95 64.12,29.24 69.43,29.24 v1(69.5,29.31)
  Bottom w0.25: v1(30.95,6.75) 33.1,4.59 F.10 ; v1(69.5,29.31) 70.06,29.87 D.14
/DG0: length 62.2
  In1.Cu w0.2: v1(66.73,39.48) 66.76,39.45 66.76,21.16 66.89,21.03 66.89,11.36 66.75,11.22 v1(66.75,11.09)
  In2.Cu w0.2: v1(48.34,11.25) 48.39,11.29 55.73,11.29 55.74,11.28 66.55,11.28 v1(66.75,11.09)
  Bottom w0.2: v1(48.34,11.25) 48.34,10.41 43.74,5.8 G.9 ; v1(66.73,39.48) 68.24,40.99 68.24,43.47 68.79,44.02 D.31
/DG1: length 65.5
  In1.Cu w0.2: v1(70.06,11.06) 68.1,13.02 68.1,20.09 68.28,20.27 68.28,28.9 67.73,29.45 67.73,39.18 v1(66.51,40.4)
  In2.Cu w0.2: v1(46.97,9.74) 47.53,10.3 65.24,10.3 65.46,10.07 68.99,10.07 69.97,11.06 v1(70.06,11.06)
  Bottom w0.2: G.10 44.3,7.07 v1(46.97,9.74) ; D.30 67.52,43.12 66.51,42.11 v1(66.51,40.4)
/DH0: length 27.3
  In1.Cu w0.2: v1(74.25,28.09) 74.6,27.74 74.6,12.36 74.68,12.28 74.68,10.24 v1(74.94,9.98)
  Bottom w0.2: H.9 76.41,8.51 v1(74.94,9.98) ; D.7 78.95,29.35 78.32,28.71 74.87,28.71 v1(74.25,28.09)
/EF0: length 45.5
  In1.Cu w0.2: v1(2.75,16.65) 2.75,11.82 1.86,10.93 v1(1.86,6.61)
  In2.Cu w0.2: v1(31.71,4.58) 30.07,6.22 4.55,6.22 4.16,6.61 v1(1.86,6.61)
  Bottom w0.2: v1(2.75,16.65) 1.3,16.65 E.13 ; v1(31.71,4.58) 31.71,1.87 F.11
/EF1: length 44.3
  In1.Cu w0.2: v1(3.13,17.41) 3.26,17.28 3.26,11.44 2.62,10.8 2.62,9.61 4.18,8.05 v1(4.18,5.89)
  In2.Cu w0.2: v1(30.31,4.71) 30.18,4.71 29.17,5.72 4.35,5.72 v1(4.18,5.89)
  Bottom w0.2: E.14 2.55,17.99 v1(3.13,17.41) ; v1(30.31,4.71) 30.56,4.45 F.12
/EG0: length 39.7
  In1.Cu w0.2: v1(41.92,7.93) 42.65,8.66 42.65,15.8 v1(40.88,17.57)
  In2.Cu w0.2: v1(40.88,17.57) 40.12,18.33 23.81,18.33 23.43,18.71 22.32,18.71 22.17,18.55 v1(15.84,18.55)
  Bottom w0.2: G.11 42.33,8.34 v1(41.92,7.93) ; E.31 16.66,18.69 16.3,18.69 16.16,18.55 v1(15.84,18.55)
/EG1: length 39.1
  In1.Cu w0.2: v1(44.67,9.7) 43.14,11.23 43.14,16.02 41.23,17.92 v1(41.23,18.17)
  In2.Cu w0.2: v1(15.84,19.15) 16.5,19.15 16.67,18.98 22.03,18.98 22.16,19.11 23.59,19.11 23.97,18.73 40.68,18.73 v1(41.23,18.17)
  Bottom w0.2: G.12 44.58,9.61 v1(44.67,9.7) ; E.30 17,20.53 16.08,19.61 16.08,19.4 v1(15.84,19.15)
